# KiCad board CPU.kicad_pcb (continued)
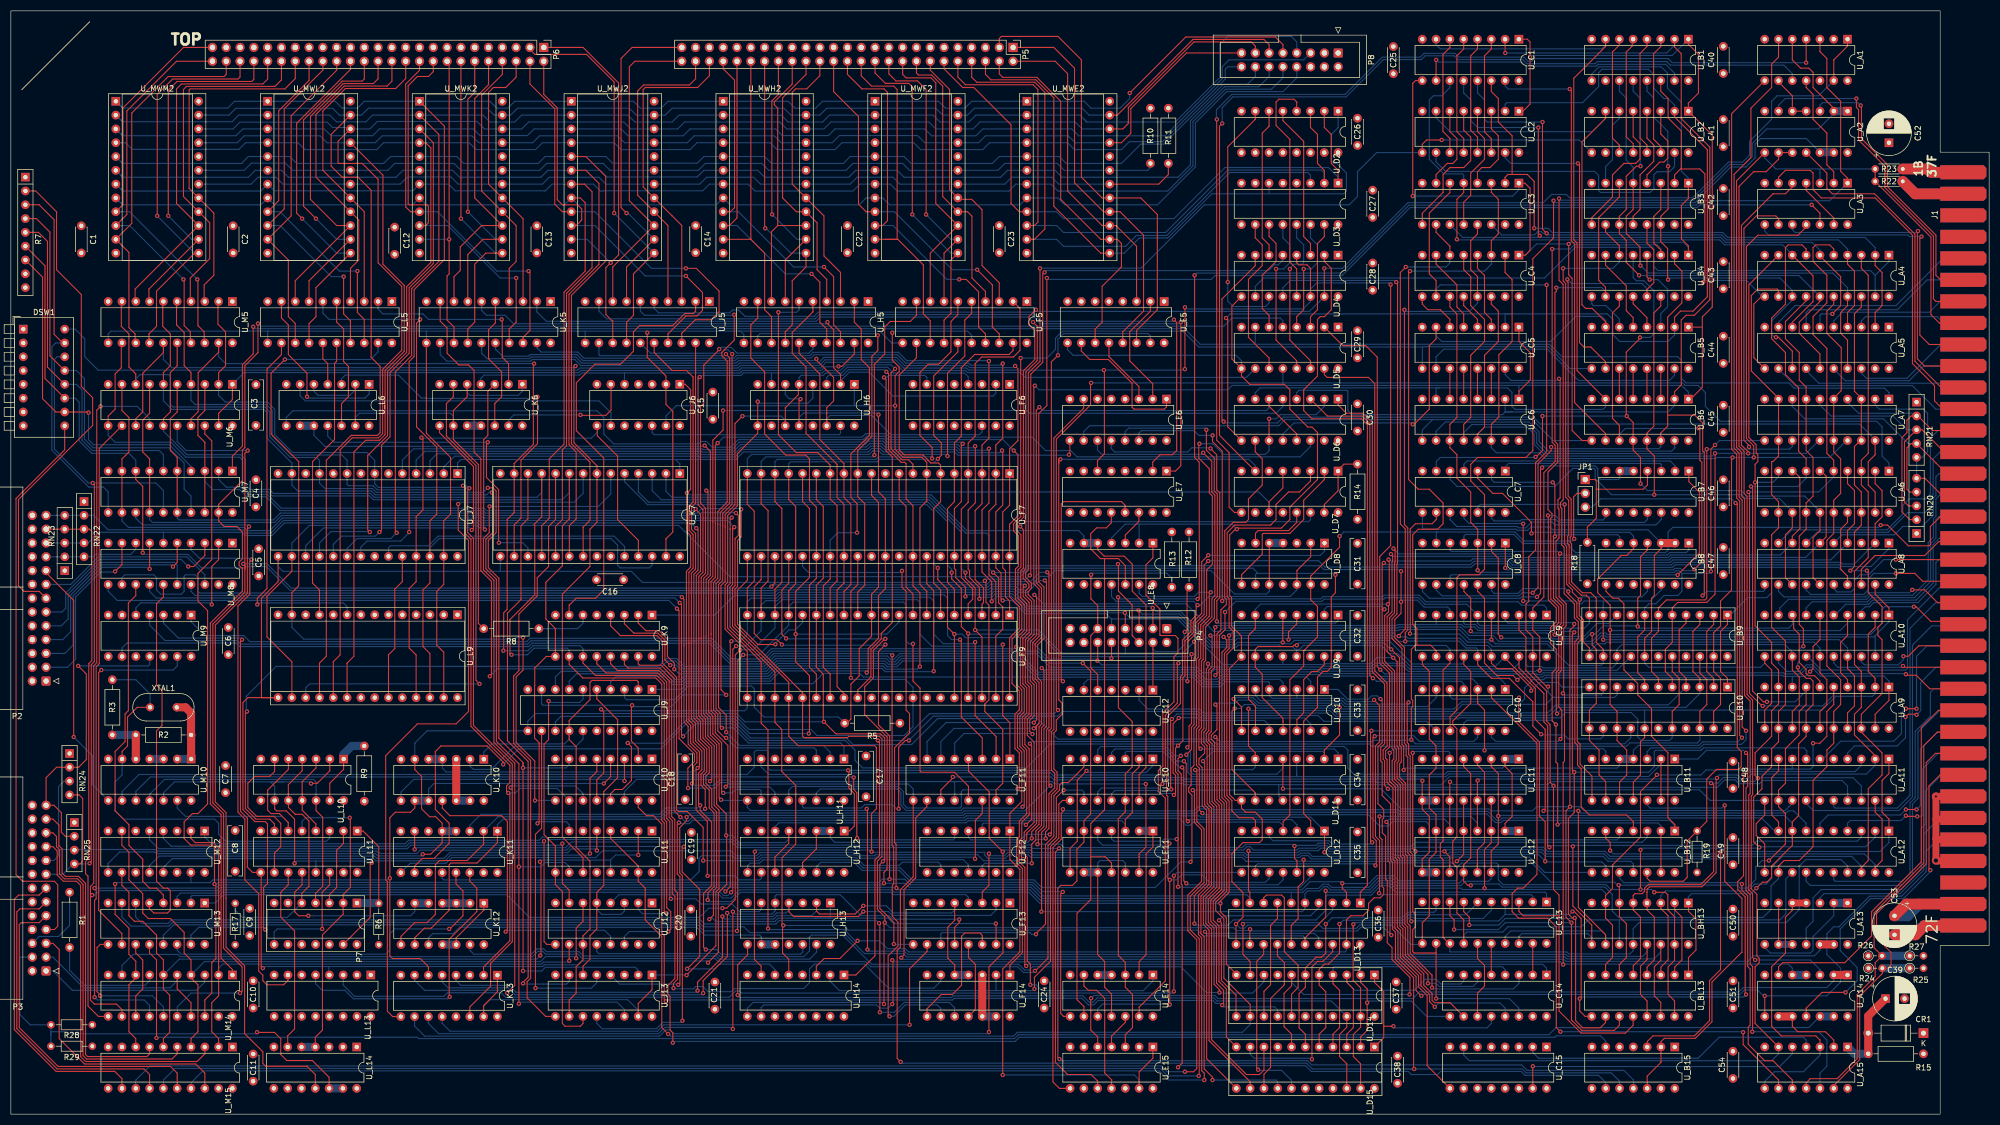
[diagram p0: board, top side]
## Routing (per net, layer and track width the routed paths; a pad name or vN(x,y) marks a point on that pad's centre or on a via; arc(x,y) is an arc through that point) (continued)
Net-(U_B2-Pad5): length 26.3
  Top w0.2: U_B2.5 298.5,179.84 299.75,178.59 299.75,175.72 298.96,174.93 296.8,174.93 294.69,172.82 294.69,168.71 ; 294.64,168.71 290.88,164.94 U_B3.9
Net-(U_B2-Pad6): length 14.3
  Bottom w0.2: U_B3.7 293.42,174.34 294.69,175.61 294.69,181.96 295.96,183.23 U_B2.6
Net-(U_B2-Pad7): length 162.3
  Top w0.2: U_B5.7 293.42,145.8 290.96,148.26 289.75,148.26 289.09,148.93 289.09,178.9 293.42,183.23 U_B2.7 ; v1(257.94,126.92) 258.19,126.92 260.99,129.72 260.99,141.4 262.24,142.65 U_C5.7
  Bottom w0.2: v1(257.94,126.92) 257.69,127.18 236.1,127.18 234.05,125.13 U_D6.12 ; U_B2.7 293.42,183.23 290.96,180.77 264.8,180.77 262.24,183.33 U_C2.7 ; U_C5.7 262.24,143.2 263.27,142.16 283.34,142.16 287.97,146.79 292.68,146.79 293.5,145.97 293.5,144.89
Net-(U_B2-Pad15): length 55.6
  Bottom w0.2: 262.24,176.93 262.24,175.2 263.98,173.46 291.41,173.46 292.15,172.72 292.15,169.93 292.48,169.6 301.63,169.6 302.39,170.36 ; 302.39,172.9 302.9,173.41 305.18,173.41 306.12,174.34 306.12,176.93 ; 302.31,172.9 302.31,170.36
Net-(U_B4-Pad4): length 16.2
  Top w0.2: U_B4.4 301.04,154.05 v1(301.54,153.55)
  Bottom w0.2: U_B5.3 303.58,147.29 304.84,148.55 304.84,151.78 303.07,153.55 v1(301.54,153.55)
Net-(U_B4-Pad7): length 15.3
  Top w0.2: U_B5.5 298.5,146.56 297.23,147.83 297.23,152.4 293.42,156.21 U_B4.7
Net-(U_B4-Pad9): length 9.1
  Bottom w0.2: U_B4.9 290.88,149.1 291.21,148.77 293.5,148.77 295.96,146.31 U_B5.6
Net-(U_B4-Pad12): length 6.7
  Top w0.2: U_B4.12 298.5,149.1 301.04,146.56 U_B5.4
Net-(U_B5-Pad10): length 55.5
  Top w0.2: U_B5.10 293.42,138.43 290.71,141.15 289.44,141.15 288.63,141.95 288.63,174.78 288.48,174.78 v1(288.33,174.93)
  Bottom w0.2: v1(288.33,174.93) 275.97,174.93 274.94,175.97 274.94,176.93
Net-(U_B5-Pad11): length 5.6
  Top w0.2: U_B6.6 U_B5.11
Net-(U_B5-Pad12): length 5.6
  Top w0.2: U_B6.5 U_B5.12
Net-(U_B5-Pad13): length 5.6
  Top w0.2: U_B6.4 U_B5.13
Net-(U_B5-Pad14): length 5.6
  Top w0.2: U_B6.3 U_B5.14
Net-(U_B5-Pad15): length 50.7
  Bottom w0.2: U_B5.15 306.12,135.93 305.18,135 288.42,135 284.1,139.32 284.1,139.37 282.72,140.75 263.64,140.75 262.24,139.35 U_C5.10
Net-(U_B6-Pad10): length 80.6
  Top w0.2: U_B6.10 293.42,125.23 287.72,130.92 287.72,160.1 287.12,160.7 287.12,188.42 286.92,188.62 v1(286.82,188.62)
  Bottom w0.2: U_C1.15 274.94,189.17 275.49,188.62 v1(286.82,188.62)
Net-(U_B6-Pad15): length 51.2
  Bottom w0.2: U_B6.15 306.12,122.69 306.2,122.61 305.58,121.99 282.94,121.99 281.2,123.73 281.2,125.51 279.37,127.34 263.94,127.34 262.24,125.63 U_C6.10
Net-(U_B7-Pad1): length 65.1
  Top w0.2: U_B7.1 308.75,116.38 310.68,114.44 310.68,103.21 v1(306.68,99.21)
  Bottom w0.2: v1(306.68,99.21) 306.66,99.24 265.05,99.24 264.82,99 U_C8.10
Net-(U_B7-Pad2): length 41.7
  Bottom w0.2: U_B7.2 306.2,119.3 305.33,120.17 267.95,120.17 267.36,119.58 U_C7.4
Net-(U_B7-Pad3): length 31
  Bottom w0.2: U_B7.3 303.67,119.55 303.5,119.72 275.56,119.72 274.98,119.14 U_C7.1
Net-(U_B7-Pad5): length 67.4
  Top w0.2: v1(280.8,95.17) 281.45,95.83 281.45,118.67 v1(281.75,118.97)
  Bottom w0.2: U_B7.6 296.05,117.02 295.79,116.76 292.48,116.76 291.98,117.27 291.98,118.8 291.51,119.27 282.05,119.27 v1(281.75,118.97) ; U_C8.8 259.74,96.17 260.99,94.92 277.7,94.92 277.95,95.17 280.79,95.17 v1(280.8,95.17)
  Bottom w1.5: U_B7.5 U_B7.6
Net-(U_B7-Pad11): length 31.8
  Bottom w0.2: U_C7.13 272.44,109.63 272.93,109.14 277.7,109.14 277.96,109.4 284.28,109.4 284.81,108.87 300.6,108.87 301.12,109.4 U_B7.11
Net-(U_B7-Pad12): length 43.2
  Bottom w0.2: U_B7.12 303.67,109.4 302.68,108.42 284.1,108.42 283.58,108.94 279.82,108.94 278.75,107.87 277.39,107.87 277.14,108.13 266.07,108.13 264.82,109.38 U_C7.10
Net-(U_B11-Pad6): length 219.4
  Top w0.2: v1(221.63,80.76) 221.93,81.06 221.93,88.37 222.65,89.09 222.65,92.78 223.64,93.77 223.64,94.72 223.34,95.02 223.34,107.31 224.92,108.89 227.21,108.89 227.71,109.4 227.71,113.21 230.25,115.75 230.25,120.57 228.97,121.86 U_D6.10 ; v1(253.71,66.47) 253.68,66.44 253.68,61.22 253.82,61.08 253.87,61.08 254.76,60.18 254.76,47.12 255.12,46.77 255.12,34.42 255.67,33.87 255.67,28.84 259.01,25.5 259.01,23.41 260.6,21.83 260.6,8.93 U_C15.9 ; v1(271.15,66.93) 271.15,74.35 269.88,75.62 269.88,75.62 U_C10.3
  Bottom w0.2: 269.88,78.15 269.88,79.17 268.95,80.1 251.8,80.1 250.84,81.06 241.04,81.06 240.73,81.37 222.23,81.37 v1(221.63,80.76) ; U_B11.6 293.46,66.77 292.99,67.23 271.45,67.23 v1(271.15,66.93) 270.85,67.23 254.47,67.23 v1(253.71,66.47)
Net-(U_B11-Pad8): length 56.8
  Top w0.2: v1(286.56,96.16) 286.56,95.71 288.13,94.14 288.13,91.52 288.87,90.78 288.87,87.24 288.22,86.59 288.22,68.57 288.73,68.06 288.73,64.39 290.92,62.19 U_B11.8
  Bottom w0.2: v1(286.56,96.16) 286.02,96.7 278.2,96.7 277.33,95.83 272.93,95.83 272.44,96.32 U_C8.13
Net-(U_B11-Pad12): length 79.6
  Top w0.2: v1(315.34,56.82) 315.34,42.85 318.52,39.68 318.52,29.77 318.47,29.77 313,24.31 313,17.01 309.94,13.95 304.22,13.95 303.62,13.35 U_B15.2 303.62,9.62 303.66,9.58 301.08,7 U_B15.12
  Bottom w0.2: v1(315.34,56.82) 314.84,56.31 301.63,56.31 301.08,56.86 U_B11.12
Net-(U_B12-Pad5): length 140
  Top w0.2: v1(220.77,96.02) 220.51,95.76 220.51,91.61 218.93,90.03 218.93,83.87 218.6,83.54 218.6,71.3 218.14,70.83 218.14,64.2 218.68,63.66 218.68,55.97 v1(219.25,55.4)
  Bottom w0.2: v1(219.25,55.4) 219.25,55.13 219.28,55.1 249.76,55.1 251.84,53.02 253.41,53.02 254.22,53.83 260.43,53.83 260.99,53.26 260.99,50.72 261.24,50.47 295.53,50.47 296,50.94 U_B12.5 ; U_E8.13 207.6,95.82 208.16,95.27 217.76,95.27 218.52,96.02 v1(220.77,96.02)
Net-(U_B12-Pad8): length 123.2
  Top w0.2: v1(179.96,47.93) 179.96,42.09 178.74,40.86 U_F13.3
  Bottom w0.2: U_B12.8 282.22,44.47 279.41,47.29 265.19,47.29 264.59,46.69 254.33,46.69 254.06,46.97 239.25,46.97 238.65,47.57 237.51,47.57 237.17,47.23 227.21,47.23 226.76,47.68 187.9,47.68 187.43,48.15 183.41,48.15 182.81,47.55 180.35,47.55 v1(179.96,47.93)
Net-(U_B12-Pad13): length 118
  Top w0.2: U_B12.13 U_B12.2 ; v1(282.82,110.16) 282.89,110.1 282.89,94.61 284.36,93.14 284.36,90.6 283.3,89.55 283.3,86.58 284.36,85.52 284.36,81.97 283.59,81.2 283.59,72.38 v1(284.29,71.68) 284.29,64.76 284.61,64.44 284.61,53.31 v1(284.59,53.29)
  Bottom w0.2: U_B12.2 303.62,53.05 303.08,53.59 285.19,53.59 284.89,53.29 v1(284.59,53.29) ; U_C10.11 267.34,71.94 267.88,72.48 283.49,72.48 v1(284.29,71.68) ; U_B7.8 293.5,109.91 292.92,109.33 284.99,109.33 284.16,110.16 v1(282.82,110.16)
Net-(U_B15-Pad9): length 157.8
  Top w0.2: v1(215.26,65.94) 214.75,65.43 214.75,63.18 215.35,62.58 215.35,42.3 215.52,42.13 215.52,9.38 v1(214.76,8.62)
  Bottom w0.2: U_E10.5 199.98,67.06 200.57,67.65 212.45,67.65 214.17,65.94 v1(215.26,65.94) ; U_B15.9 293.46,5.81 292.12,7.14 278.62,7.14 277.91,7.85 263.07,7.85 262.51,7.29 257.69,7.29 257.12,7.85 239.28,7.85 238.21,8.92 215.06,8.92 v1(214.76,8.62)
Net-(U_C1-Pad3): length 21.9
  Top w0.2: 272.4,176.93 272.4,179.48 271.15,180.73 271.15,194.74 272.42,196.01 272.4,196.03 U_C1.3
Net-(U_C1-Pad4): length 21.9
  Top w0.2: 269.86,176.93 269.86,179.74 269.88,179.76 268.61,181.03 268.61,194.74 269.86,195.99 U_C1.4
Net-(U_C1-Pad5): length 21.9
  Top w0.2: U_C1.5 267.32,196.03 267.34,196.01 266.07,194.74 266.07,180.77 267.32,179.52 267.32,176.93
Net-(U_C1-Pad6): length 21.9
  Top w0.2: U_C1.6 264.78,196.25 263.5,194.97 263.5,180.8 264.8,179.5 264.78,179.48 264.78,176.93
Net-(U_C2-Pad3): length 16.3
  Top w0.2: U_C2.3 272.4,181.3 273.69,180.01 273.69,175.69 272.16,174.17 270.64,174.17 269.86,173.39 U_C3.4
Net-(U_C2-Pad4): length 23
  Top w0.2: U_C2.4 269.86,180.79 271.15,179.5 271.15,175.69 268.61,173.15 268.61,169.09 267.32,167.8 U_C3.12
Net-(U_C2-Pad5): length 26.6
  Top w0.2: U_C2.5 267.32,181.05 268.61,179.76 268.61,175.44 267.34,174.17 264.8,174.17 263.53,172.9 263.53,169.6 259.72,165.79 259.72,165.53 259.7,165.51 U_C3.9
Net-(U_C2-Pad6): length 16
  Top w0.2: U_C2.6 264.78,180.79 266.07,179.5 266.07,175.69 265.31,174.93 264.29,174.93 262.24,172.88 U_C3.7
Net-(U_C4-Pad4): length 14.3
  Top w0.2: U_C4.4 269.86,155.61 271.15,154.32 271.15,147.5 272.4,146.25 U_C5.3
Net-(U_C4-Pad7): length 15.4
  Top w0.2: U_C5.5 267.32,147.22 267.34,147.24 266.07,148.51 266.07,152.58 262.24,156.41 U_C4.7
Net-(U_C4-Pad9): length 9.1
  Top w0.2: U_C4.9 259.7,149.3 259.72,149.28 259.72,149.02 260.73,148.01 263.02,148.01 264.78,146.25 U_C5.6
Net-(U_C4-Pad12): length 6.7
  Top w0.2: U_C5.4 269.86,146.25 267.32,148.79 U_C4.12
Net-(U_C5-Pad11): length 5.6
  Top w0.2: U_C6.6 U_C5.11
Net-(U_C5-Pad12): length 5.6
  Top w0.2: U_C6.5 U_C5.12
Net-(U_C5-Pad13): length 5.6
  Top w0.2: U_C6.4 U_C5.13
Net-(U_C5-Pad14): length 5.6
  Top w0.2: U_C6.3 U_C5.14
Net-(U_C10-Pad4): length 188
  Top w0.2: U_D6.3 242.25,128.45 248.66,128.45 250.05,127.06 250.05,80.78 v1(250.61,80.22) ; v1(189.68,82.07) 190.09,81.66 190.09,71.54 189.64,71.09 189.64,53.12 188.59,52.07 188.59,50.42 187.84,49.67 v1(187.84,46.15)
  Bottom w0.2: U_F12.12 178.74,45.69 179.2,46.15 v1(187.84,46.15) ; U_C10.4 267.34,79.17 266.87,79.64 251.3,79.64 250.72,80.22 v1(250.61,80.22) 250.23,80.6 240.85,80.6 240.54,80.91 222.85,80.91 221.94,80 219.84,80 218.08,81.77 189.98,81.77 v1(189.68,82.07)
Net-(U_C10-Pad6): length 46.7
  Top w0.2: v1(224.99,76.38) 226.44,74.92 226.44,70.55
  Bottom w0.2: v1(224.99,76.38) 225.24,76.63 228.61,76.63 229.63,75.61 244.79,75.61 245.4,75 260.63,75 262.26,76.64 U_C10.6
Net-(U_C10-Pad8): length 50.8
  Top w0.2: v1(250.35,70.54) 250.17,70.36 250.17,50.29 v1(250.47,49.99)
  Bottom w0.2: U_C10.8 250.36,70.53 v1(250.35,70.54) ; U_D12.5 231.55,50.95 232.2,50.3 242.56,50.3 243.17,49.69 250.05,49.69 250.17,49.82 250.3,49.82 v1(250.47,49.99)
Net-(U_C10-Pad13): length 94.3
  Top w0.2: v1(285.12,69.02) 285.37,69.27 285.37,74.35 284.81,74.91 284.81,81.14 285.26,81.59 285.26,89.58 285.72,90.04 285.72,93.71 284.3,95.12 284.3,105.45 284.86,106.01 284.86,111.31 284.66,111.51 284.66,113.01 285.06,113.41 285.06,135.36 285.01,135.31 v1(284.87,135.31)
  Bottom w0.2: v1(285.12,69.02) 284.69,68.6 273.18,68.6 272.42,69.35 U_C10.13 ; v1(284.87,135.31) 284.56,135 276.03,135 274.94,136.09 U_C5.15
Net-(U_C13-Pad5): length 60.1
  Top w0.2: 246.99,34.25 246.99,24.59 248.35,23.23 U_D14.21 248.35,15.99 247.02,14.66 247.02,10.59 248.35,9.26 U_D15.21 ; 246.99,34.25 246.99,34.9 v1(247.02,34.93) ; 246.99,34.25 246.99,34.5
  Bottom w0.2: v1(247.02,34.93) 247.32,35.23 256.37,35.23 257.37,36.24 258,36.24 258.24,36 270.9,36 272.4,37.5 272.4,38.85
Net-(U_C13-Pad6): length 52.6
  Top w0.2: v1(244.48,34.98) 244.48,29.64 242.45,27.61 241.68,27.61 240.73,26.65 U_D14.5 240.73,23.74 241.94,22.53 241.94,15.93 240.73,14.72 U_D15.5
  Bottom w0.2: v1(244.48,34.98) 245.19,35.68 256.18,35.68 257.19,36.69 267.7,36.69 269.86,38.85
Net-(U_C13-Pad9): length 48.4
  Top w0.2: v1(241.94,34.98) 241.94,29.64 241.18,28.88 240.16,28.88 238.19,26.91 U_D14.6 238.19,23.35 237.03,22.2 237.03,15.87 238.19,14.72 U_D15.6
  Bottom w0.2: 262.24,38.85 262.24,37.5 261.89,37.15 257,37.15 255.99,36.14 243.1,36.14 v1(241.94,34.98)
Net-(U_C13-Pad12): length 108.7
  Top w0.2: 262.24,29.66 262.24,31.23 ; 262.24,29.66 262.23,29.64 258.19,29.64 257.94,29.9 257.94,33.96 258.45,34.47 258.45,36.75 257.94,37.26 257.94,47.8 257.49,48.25 257.49,65.87 257.19,66.17 257.19,68.12 256.92,68.38 256.92,75.51 v1(257.17,75.75) ; 262.24,29.66 262.24,21.28 v1(262.26,21.26)
  Bottom w0.2: U_C14.14 277.48,19.5 275.72,21.26 v1(262.26,21.26) ; v1(257.17,75.75) 256.87,75.45 245.59,75.45 244.98,76.06 229.94,76.06 229.01,76.99 U_D10.6
Net-(U_C13-Pad15): length 14.3
  Top w0.2: U_C14.11 269.86,22.26 271.15,23.55 271.15,27.36 269.86,28.64 269.86,31.23
Net-(U_C13-Pad16): length 5.6
  Top w0.2: 272.4,25.6 272.4,31.23
Net-(U_C13-Pad19): length 5.6
  Top w0.2: 280.02,31.23 280.02,25.6
Net-(U_C14-Pad4): length 48.6
  Top w0.2: U_D15.4 243.27,14.6 243.21,14.66 244.48,15.93 244.48,22.78 243.27,23.99 U_D14.4
  Bottom w0.2: U_C14.4 274.94,26.61 274.43,27.12 243.46,27.12 243.27,26.92 U_D14.4
Net-(U_C14-Pad7): length 40.3
  Top w0.2: U_D14.3 245.81,24.25 247.02,23.04 247.02,15.93 245.81,14.72 U_D15.3
  Bottom w0.2: U_D14.3 245.81,24.25 247.27,22.78 258.19,22.78 260.23,24.82 262.26,24.82 263.13,23.95 266.8,23.95 267.32,24.47 U_C14.7
Net-(U_C14-Pad9): length 30.8
  Top w0.2: U_D14.2 248.35,24.25 249.56,23.04 249.56,15.42 248.35,14.21 U_D15.2
  Bottom w0.2: U_C14.9 260.51,17.99 257.69,20.81 249.86,20.81 v1(249.56,20.51)
Net-(U_C14-Pad12): length 36.3
  Top w0.2: 252.61,16.18 252.61,14.08 U_D15.1 ; 252.61,16.18 252.61,16.17 v1(254.38,16.17) ; 252.61,16.18 252.61,22.53 250.89,24.25 U_D14.1
  Bottom w0.2: 272.4,17.99 272.4,16.67 271.6,15.87 254.64,15.87 254.64,15.92 v1(254.38,16.17)
Net-(U_D7-Pad2): length 30
  Top w0.2: U_D8.8 226.47,99.26 230.25,103.05 230.25,106.66 230.45,106.86 235.33,106.86 237.87,109.4 237.87,112.95 241.67,116.75 U_D7.2
Net-(U_D7-Pad13): length 12
  Top w0.2: U_D8.6 229.01,106.88 229.49,107.37 235.08,107.37 236.6,108.89 236.6,110.69
Net-(U_D10-Pad1): length 107.4
  Top w0.2: v1(257.35,22.02) 257.43,22.11 257.43,25.15 254.13,28.45 254.13,30.66 253.25,31.53 253.25,42.96 252.95,43.27 252.95,51.15 252.35,51.75 252.35,54.23 252.61,54.49 252.61,56.06 251.54,57.13 251.54,67.57 252.31,68.35 252.31,76.08 v1(252.01,76.38) ; U_D15.7 235.65,14.72 234.26,16.1 234.26,22.22 235.65,23.61 U_D14.7
  Bottom w0.2: U_D10.1 244.18,78.15 245.96,76.36 249.8,76.36 250.4,76.96 251.43,76.96 v1(252.01,76.38) ; U_D14.7 235.65,24.25 237.87,22.02 v1(257.35,22.02)
Net-(U_D10-Pad10): length 46.5
  Top w0.2: v1(214.9,72.88) 213.85,71.84 213.85,62.8 214.3,62.35 214.3,59.02 v1(214,58.72)
  Bottom w0.2: U_E10.11 202.52,58.93 203.13,59.54 210.9,59.54 211.43,59.01 213.72,59.01 v1(214,58.72) ; U_D10.10 231.55,71.53 230.65,72.43 218.85,72.43 218.33,72.95 214.96,72.95 v1(214.9,72.88)
Net-(U_D10-Pad13): length 56.8
  Top w0.2: v1(213.63,72.69) 213.39,72.46 213.39,60.25 213.52,60.13 v1(213.52,59.76)
  Bottom w0.2: v1(213.63,72.69) 214.57,73.64 218.28,73.64 219.04,72.88 238.07,72.88 239.17,71.78 U_D10.13 ; U_E10.10 199.98,59.31 200.66,60 208.5,60 208.5,59.99 211.14,59.99 211.67,59.46 213.22,59.46 v1(213.52,59.76)
Net-(U_D12-Pad3): length 48.8
  Top w0.2: v1(216.56,53.89) 216.26,54.19 216.26,64.52 v1(215.84,64.95)
  Bottom w0.2: U_E10.4 202.52,66.55 203.16,67.2 212.27,67.2 214.51,64.95 v1(215.84,64.95) ; v1(216.56,53.89) 216.86,54.19 235.68,54.19 236.63,53.24 U_D12.3
Net-(U_D12-Pad6): length 82.3
  Top w0.2: U_D12.6 229.01,54 228.48,54.53 225.94,54.53 224.67,55.8 224.67,57.7 223.74,58.63 223.74,84.6 224.92,85.78 224.92,88.82 224.16,89.59 224.16,94.85 223.8,95.21 223.8,107 225.17,108.38 231.78,108.38 232.79,109.4 232.79,112.19 235.08,114.48 237.11,114.48 239.13,116.5 U_D7.3
Net-(U_D12-Pad11): length 54.2
  Top w0.2: v1(216.28,42.48) 215.81,42.95 215.81,63.51 v1(215.51,63.81)
  Bottom w0.2: U_E10.3 205.06,66.55 205.24,66.73 212.09,66.73 215.01,63.81 v1(215.51,63.81) ; v1(216.28,42.48) 216.56,42.2 233.16,42.2 234.09,43.13 U_D12.11
Net-(U_D13-Pad3): length 28.8
  Top w0.2: v1(226.7,34.98) 226.7,29.39 228.03,28.06 U_D14.10
  Bottom w0.2: v1(226.7,34.98) 226.95,35.23 240.92,35.23 243.21,37.52 U_D13.3
Net-(U_D13-Pad4): length 39.1
  Top w0.2: 225.43,18.04 225.43,21.9 222.74,24.59 222.74,35.23 v1(222.31,35.66)
  Bottom w0.2: U_D13.4 240.67,38.02 239.14,36.5 223.14,36.5 v1(222.31,35.66)
Net-(U_D13-Pad7): length 21.9
  Top w0.2: U_D13.7 233.05,35.99 231.78,34.72 231.78,23.8 230.57,22.59 U_D14.14
Net-(U_D13-Pad8): length 28.6
  Top w0.2: U_D14.16 235.65,22.08 236.86,23.29 236.86,27.36 234.32,29.9 234.32,39.8 233.81,40.31 231.02,40.31 230.51,39.8 U_D13.8
Net-(U_D13-Pad13): length 32.1
  Top w0.2: U_D13.13 230.51,29.39 229.24,28.12 229.24,8.42 v1(229.49,8.17)
  Bottom w0.2: v1(229.49,8.17) 229.61,8.05 233.81,8.05 235.65,6.21 U_D15.16
Net-(U_D13-Pad14): length 28.6
  Top w0.2: U_D15.14 230.57,7.35 231.78,8.56 231.78,21.26 234.32,23.8 234.32,27.86 233.05,29.13 U_D13.14
Net-(U_D13-Pad17): length 53.8
  Top w0.2: U_D15.12 220.02,10.21 220.02,33.25 v1(219.72,33.55)
  Bottom w0.2: U_D13.17 240.67,32.44 239.85,33.25 220.02,33.25 v1(219.72,33.55)
Net-(U_D13-Pad18): length 36.4
  Top w0.2: v1(239.4,10.08) 239.4,27.1 240.41,28.12 241.43,28.12 243.21,29.9 U_D13.18
  Bottom w0.2: v1(239.4,10.08) 239.2,10.28 228.78,10.28 228.03,11.04 U_D15.10
Net-(U_E7-Pad14): length 6.7
  Top w0.2: U_E7.14 207.56,109.05 205.06,106.55 U_E8.3
Net-(U_E10-Pad1): length 34
  Top w0.2: v1(197.93,63.16) 196.22,61.45 196.22,50.22 194.9,48.9 U_E11.8
  Bottom w0.2: v1(197.93,63.16) 198.22,62.86 208.86,62.86 210.14,64.14 U_E10.1
Net-(U_E10-Pad2): length 81.5
  Top w0.2: U_E11.3 205.06,54.23 206.33,55.5 206.33,62.61 207.6,63.88 U_E10.2
  Bottom w0.2: U_H12.6 140.63,52.92 141.32,53.61 175.78,53.61 176.16,53.99 204.38,53.99 205.06,53.31 U_E11.3
Net-(U_E10-Pad13): length 292
  Top w0.2: v1(128.19,43.85) 128.15,43.89 128.15,53.89 126.08,55.96 126.08,63.39 v1(126.37,63.68) 126.69,64 126.69,66.66 125.08,68.27 125.08,71.54 124.3,72.32 124.3,86.47 124.3,86.47 124.3,99.88 125.08,100.66 125.08,106.47 124.34,107.21 124.34,114.22 v1(124.4,114.29) 125.08,114.96 125.08,133.3 124.08,134.29 U_J6.1 ; U_E10.13 207.6,62.49 208.85,63.74 208.85,93.71 206.34,96.23 206.34,101.18 204.85,102.67 201.17,102.67 199.98,103.86 U_E8.5
  Bottom w0.2: v1(126.37,63.68) 125.64,62.95 80.1,62.95 79.4,63.65 79.4,65.3 ; U_H12.10 138.09,43.39 137.8,43.1 133.89,43.1 133.12,43.87 128.21,43.87 v1(128.19,43.85) ; v1(124.4,114.29) 124.73,113.95 169.32,113.95 175.91,107.37 196.47,107.37 197.44,106.4 U_E8.6
  Bottom w1.5: U_E8.5 U_E8.6 ; U_K10.5 79.4,65.3
Net-(U_E11-Pad1): length 30.1
  Top w0.2: U_E11.1 210.14,49.15 208.88,47.89 208.88,29.35 207.6,28.07 U_E14.2
  Bottom w1.5: 210.19,52.12 207.65,52.12
Net-(U_E11-Pad10): length 39
  Top w0.2: U_E11.10 199.98,29.36 201.26,28.08 201.26,23.33 202.52,22.07 U_E14.11
  Bottom w0.2: U_E11.12 205.06,46.2 204.6,46.66 200.41,46.66 199.98,46.23 U_E11.10
  Bottom w1.5: 197.49,44.5 200.03,44.5
Net-(U_E14-Pad4): length 2.5
  Bottom w1.5: U_E14.4 U_E14.5
Net-(U_E14-Pad6): length 23.9
  Top w0.2: U_E14.6 197.44,23.6 198.25,22.78 199.77,22.78 201.26,21.29 201.26,7.58 202.57,6.27 202.52,6.22 U_E15.11
Net-(U_E14-Pad8): length 73.4
  Top w0.2: v1(193.55,40.9) 193.17,40.52 193.17,18.52 193.71,17.99 U_E14.8
  Bottom w0.2: U_H12.14 148.25,45.55 149.03,46.33 155.15,46.33 156.62,44.86 163.47,44.86 165.68,42.65 188.06,42.65 189.77,40.94 193.51,40.94 v1(193.55,40.9)
Net-(U_E14-Pad12): length 6.7
  Top w0.2: U_E14.12 205.06,16.89 202.52,14.35 U_E15.4
Net-(U_E14-Pad13): length 95.7
  Top w0.2: U_E8.1 210.14,102.36 208.86,101.09 208.86,95.48 211.41,92.94 211.41,88.14 211.51,88.14 211.59,88.06 214.25,88.06 214.76,87.55 214.74,87.53 214.74,84.87 214,84.12 214,75.87 211.97,73.84 211.97,64.06 211.13,63.22 211.13,59.42 212.42,58.14 212.42,24.51 207.6,19.69 U_E14.13
Net-(U_F7-Pad9): length 27.1
  Top w0.2: U_F7.9 163.45,113.09 164.72,111.81 164.72,96.95 165.99,95.69 U_F9.8
Net-(U_F7-Pad21): length 29.9
  Top w0.2: v1(140.68,86.45) 140.64,86.41 137.45,86.41 133.69,90.17 133.69,96.4 135.51,98.22 135.51,101.26 135.51,101.27 U_F7.21
  Bottom w0.2: v1(140.68,86.45) 140.68,86.63 143.16,89.1 144.3,89.1 145.67,90.47 U_F9.16
Net-(U_F13-Pad2): length 122.9
  Top w0.2: v1(127.38,22.27) 127.38,24.56 131.84,29.02 131.84,36.97 v1(131.8,37.01) ; U_H13.4 143.17,37.23 144.02,36.37 155.96,36.37 v1(156.86,37.27)
  Bottom w0.2: U_H13.4 143.17,37.55 142.62,37.01 140.85,37.01 140.2,36.35 132.45,36.35 v1(131.8,37.01) ; U_K13.5 79.36,24.32 80.45,23.24 91.5,23.24 92.77,21.97 127.08,21.97 v1(127.38,22.27) ; 181.28,38.85 181.28,37.56 180.28,36.57 162.18,36.57 161.48,37.26 156.87,37.26 v1(156.86,37.27)
Net-(U_F13-Pad5): length 128.2
  Top w0.2: U_F13.5 173.66,35.66 172.39,34.39 172.39,28.7 173.68,27.42 173.66,27.4 U_F14.5 ; U_H13.2 148.25,37.35 148.77,36.83 155.34,36.83 156.84,38.33 v1(156.86,38.33) ; v1(126.35,22.72) 126.35,24.29 130.94,28.88 130.94,36.36 v1(130.93,36.37)
  Bottom w0.2: v1(130.93,36.37) 131.4,35.9 140.39,35.9 141.01,36.52 147.34,36.52 148.25,37.42 U_H13.2 ; 81.9,25.57 81.9,24.58 82.79,23.69 91.69,23.69 92.96,22.42 126.05,22.42 v1(126.35,22.72) ; v1(156.86,38.33) 161.06,38.33 162.37,37.02 173.12,37.02 173.66,37.56 U_F13.5
  Bottom w1.5: U_F14.4 U_F14.5
Net-(U_F13-Pad10): length 104.5
  Top w0.2: U_F13.10 168.58,29.94 165.36,26.72 v1(165.36,16.43)
  Bottom w0.2: U_K13.12 79.36,16.7 80.81,15.26 118.97,15.26 120.15,16.43 v1(165.36,16.43)
Net-(U_F13-Pad12): length 132
  Top w0.2: U_F13.12 173.66,34.3 173.61,34.34 174.5,35.23 v1(174.5,35.81) ; v1(132.84,37.26) v1(132.84,15.67)
  Bottom w0.2: v1(132.84,37.26) 133.3,36.81 140.01,36.81 140.63,37.42 U_H13.5 140.63,40.15 140.85,40.37 152.59,40.37 156.45,36.52 161.59,36.52 162.24,35.87 174.45,35.87 v1(174.5,35.81) ; U_K13.11 76.82,16.7 78.72,14.8 119.16,14.8 120.32,15.96 132.55,15.96 v1(132.84,15.67)
Net-(U_F13-Pad13): length 14.3
  Top w0.2: U_F13.13 176.2,28.84 177.47,27.57 177.47,19.25 U_F14.11
Net-(U_F13-Pad14): length 24.5
  Top w0.2: U_F13.14 178.74,32.9 178.31,33.32 175.52,33.32 174.92,32.73 174.92,23.71 173.23,22.02 171.2,22.02 168.58,19.4 U_F14.8
Net-(U_F14-Pad12): length 10.2
  Top w1.5: U_F14.12 U_F14.3
  Bottom w1.5: 181.28,17.99 U_F14.12
Net-(U_H6-Pad15): length 37.6
  Bottom w0.2: U_H6.15 152.65,125.27 152.4,125.02 118.37,125.02 118,125.39 U_J6.12
Net-(U_H13-Pad10): length 68
  Bottom w0.2: U_K12.10 76.86,32.46 77.6,33.2 81.38,33.2 82.55,34.38 126.21,34.38 127.64,32.94 137.8,32.94 138.09,32.66 U_H13.9
  Bottom w1.5: U_H13.9 U_H13.10
Net-(U_J6-Pad6): length 25.5
  Top w0.2: 110.43,134.29 110.43,129.53 109.48,128.57 104.89,128.57 v1(104.81,128.66)
  Bottom w0.2: v1(104.81,128.66) 92.54,128.66 91.58,127.69 91.58,126.67
Net-(U_J6-Pad9): length 63
  Bottom w0.2: U_L6.6 53.22,132.2 54.18,131.24 108.21,131.24 110.43,129.02 110.43,126.67
Net-(U_J7-Pad23): length 48.5
  Bottom w0.2: U_K7.24 112.92,104.43 111,106.35 78.61,106.35 76.83,104.57 69.85,104.57 69.49,104.21 U_J7.23
Net-(U_J7-Pad24): length 27.1
  Top w0.2: U_J7.24 72.03,97.98 70.64,96.6 70.64,85.68 69.47,84.51 69.49,84.49 U_L9.23
Net-(U_J10-Pad3): length 47.8
  Top w0.2: U_J10.3 112.89,61.31 v1(112.91,61.29)
  Bottom w0.2: U_K10.8 71.78,59.26 74.12,61.59 112.61,61.59 v1(112.91,61.29)
Net-(U_J10-Pad5): length 98.7
  Top w0.2: v1(106.56,47.96) 106.56,61.77 107.81,63.03 U_J10.5
  Bottom w0.2: v1(106.56,47.96) 106.26,47.66 80.93,47.66 79.88,46.61 67.14,46.61 66.73,47.02 29.7,47.02 28.05,45.37 U_M12.13
Net-(U_J11-Pad5): length 88.9
  Top w0.2: U_J11.5 107.81,48.52 v1(107.83,48.5)
  Bottom w0.2: U_M12.12 25.51,45.73 27.25,47.48 66.92,47.48 67.33,47.06 79.69,47.06 80.74,48.11 102.44,48.11 103.12,48.8 107.53,48.8 v1(107.83,48.5)
Net-(U_J12-Pad7): length 90.1
  Top w0.2: v1(101.48,49.78) 101.48,42.47 102.73,41.21 U_J12.7
  Bottom w0.2: U_M12.5 25.51,50.5 27.16,48.84 72.92,48.84 73.56,49.48 101.24,49.48 101.48,49.71 v1(101.48,49.78)
Net-(U_J12-Pad9): length 93.2
  Top w0.2: v1(98.1,50.23) 98.1,31.74 98.62,31.23 U_J12.9
  Bottom w0.2: U_M12.4 28.05,50.75 29.5,49.29 72.73,49.29 73.37,49.93 97.8,49.93 v1(98.1,50.23)
Net-(U_J12-Pad13): length 56.1
  Top w0.2: v1(91.05,33.58) 91.35,33.88 91.35,53.86 90.3,54.91 80.78,54.91 79.38,56.31 79.4,56.34 79.4,57.68
  Bottom w0.2: U_J12.13 110.35,32.71 109.22,33.83 91.31,33.83 v1(91.05,33.58)
Net-(U_K6-Pad10): length 2.5
  Bottom w1.5: 86.5,126.67 U_K6.10
Net-(U_K10-Pad12): length 10.2
  Top w1.5: U_K10.3 U_K10.12
  Bottom w1.5: U_K10.12 84.48,57.68
Net-(U_K12-Pad1): length 12.3
  Top w0.2: U_K12.1 87.02,37.54 81.94,32.46 U_K12.12
  Bottom w1.5: 79.4,31.19 U_K12.12
Net-(U_K12-Pad2): length 5.1
  Bottom w1.5: 79.4,38.81 84.48,38.81
Net-(U_L10-Pad5): length 41.8
  Top w0.2: 51.06,65.34 51.06,63.43 47.25,59.61 47.25,55.93 47.88,55.3 49.41,55.3 51.03,53.67 U_L11.6
  Bottom w0.2: U_L11.6 51.03,53.67 49.91,54.79 32.13,54.79 30.62,56.3 U_M10.13
Net-(U_L10-Pad6): length 29.4
  Top w0.2: 48.52,65.34 48.52,63.05 47.63,62.15 44.87,62.15 43.6,60.88 43.6,56.41 45.22,54.79 48.39,54.79 49.66,53.52 49.66,49.2 48.5,48.03 U_L11.10
Net-(U_L10-Pad11): length 15.3
  Top w0.2: 53.6,57.72 53.6,61.13 53.6,61.14 56.14,63.68 56.14,65.34 ; U_L10.11 53.61,55.91 56.11,53.41 U_L11.4
Net-(U_L13-Pad7): length 99.8
  Top w0.2: v1(44.26,102.03) 43.96,101.73 43.96,95.68 41.79,93.5 41.79,55.55 43.06,54.28 43.06,43.1 45.6,40.56 45.6,26.34 46.36,25.58 46.36,24.56 47.12,23.8 50.17,23.8 50.98,24.62 U_L13.7
  Bottom w0.2: v1(44.26,102.03) 44.01,102.29 34.67,102.29 33.15,103.81 U_M8.4
Net-(U_M8-Pad2): length 27.6
  Top w0.2: U_M8.2 38.23,102.03 36.96,100.76 v1(36.96,93.77)
  Bottom w0.2: U_M9.5 23.01,93.16 23.91,94.07 36.66,94.07 v1(36.96,93.77)
Net-(U_M10-Pad3): length 2.5
  Bottom w1.5: U_M10.3 U_M10.4
Net-(U_M13-Pad4): length 64.6
  Top w0.2: U_M13.4 28.05,40.34 26.8,41.58 25.53,41.58 24.26,42.85 24.26,46.91 21.72,49.45 21.72,53.26 19.18,55.8 19.18,66.73 21.01,68.56 21.01,73.64 21.62,74.25 21.62,94.06 22.98,95.42 U_M8.13
Net-(U_M13-Pad5): length 68.2
  Top w0.2: U_M13.5 25.51,37.79 26.29,37.01 28.83,37.01 29.34,37.52 29.34,41.07 28.83,41.58 28.07,41.58 26.8,42.85 26.8,70.54 27.82,71.55 27.82,77.9 26.8,78.92 26.8,93.9 28.06,95.17 U_M8.15
